# Altium PCB mainboard.PcbDoc
Units mm, origin at the board's own origin, x right, y up, seen from the top; angles counter-clockwise.
Board outline 50 x 50 mm, 2 copper layers (Top Layer, Bottom Layer); 64 components, 41 nets, 257 pads, 59 vias.
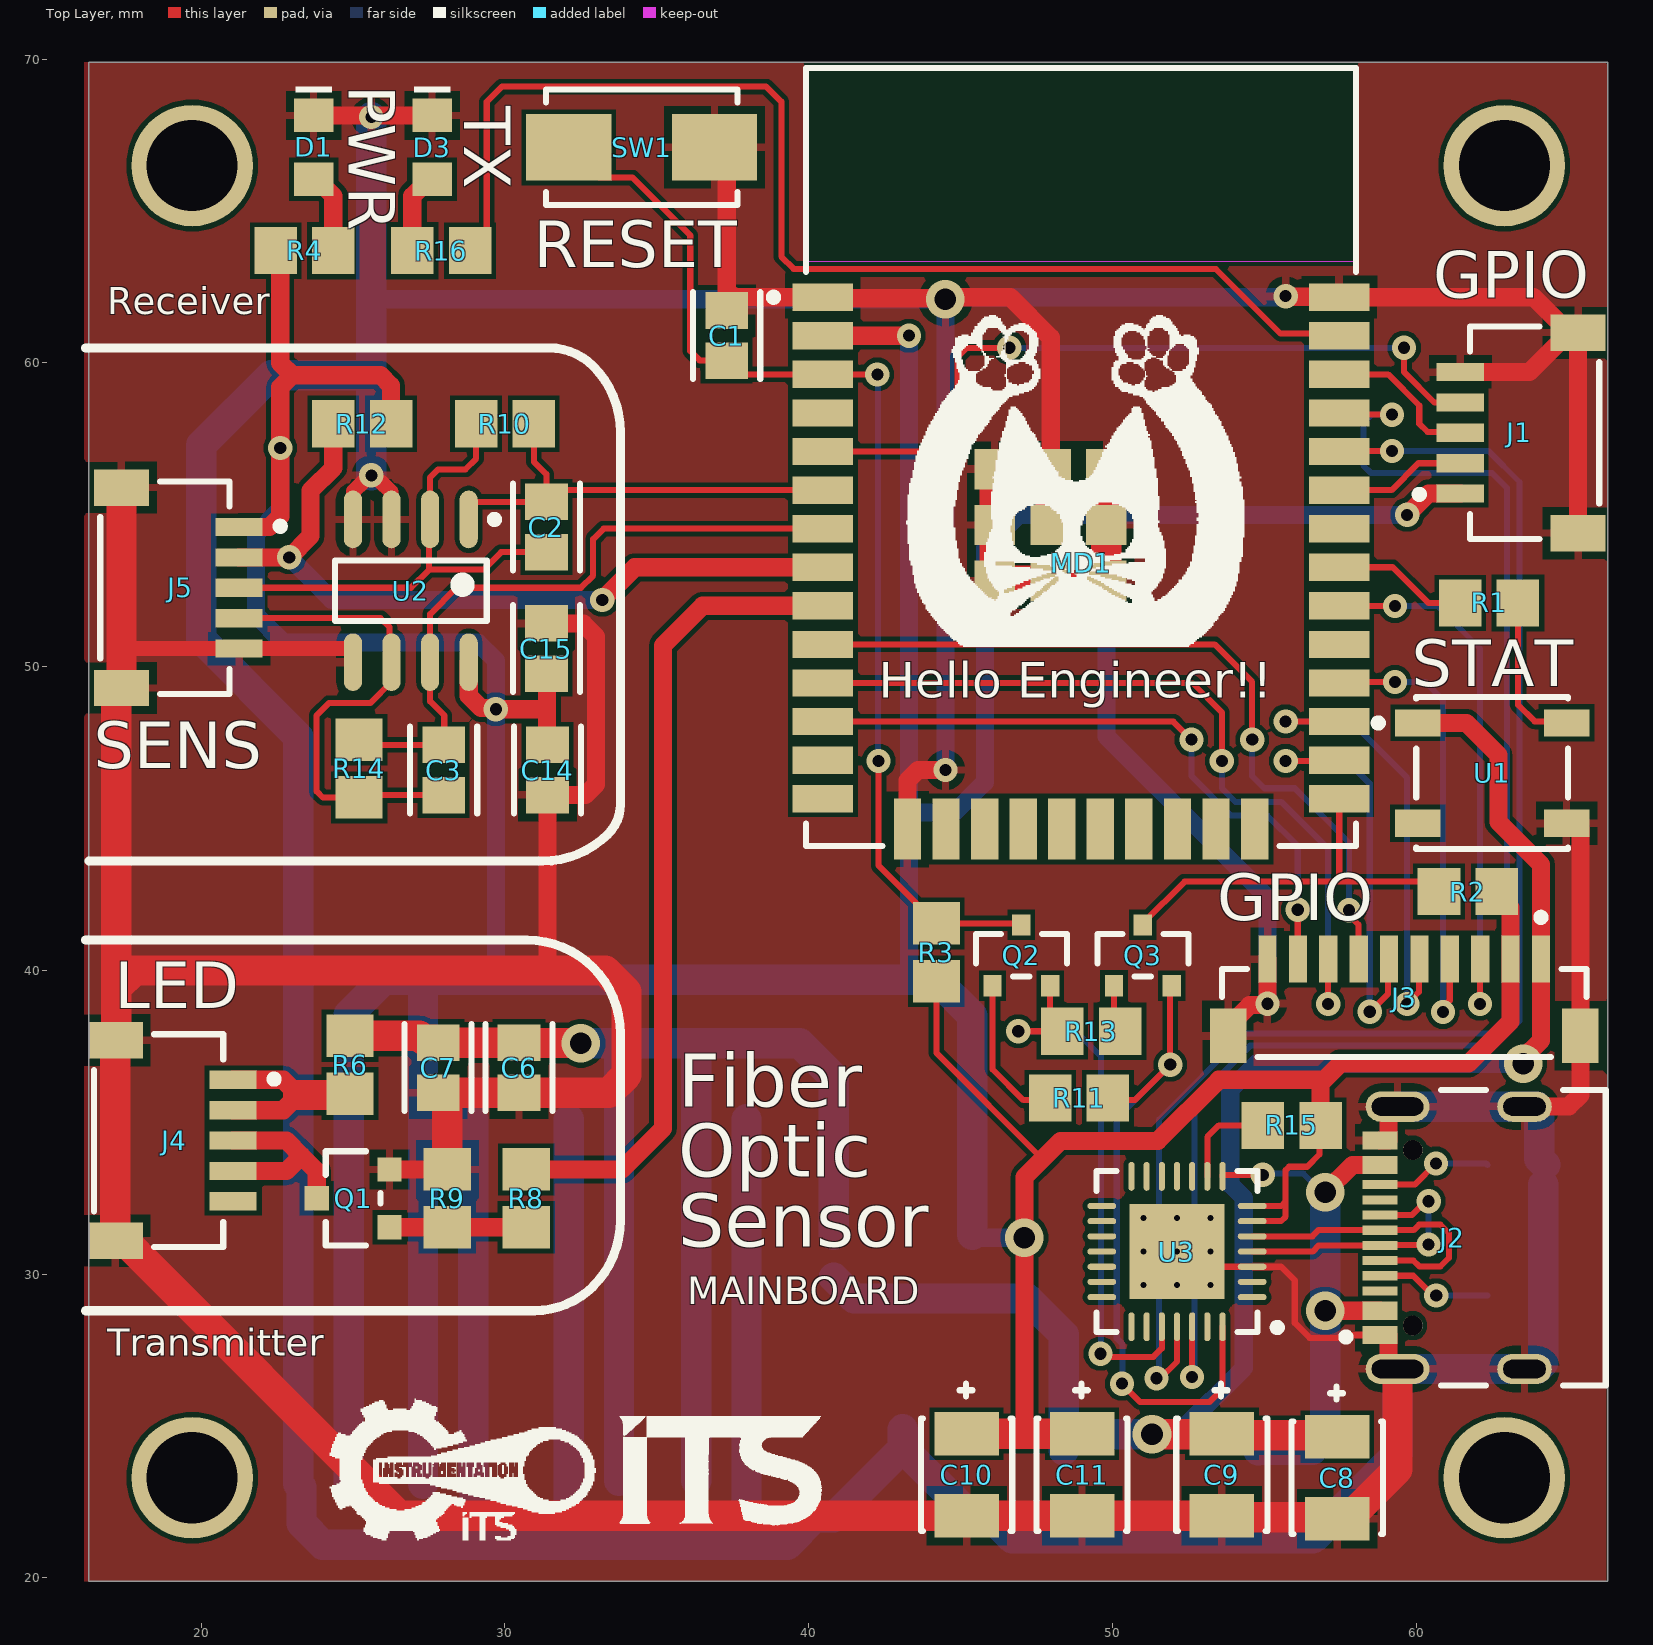
[diagram p0: Top Layer view]
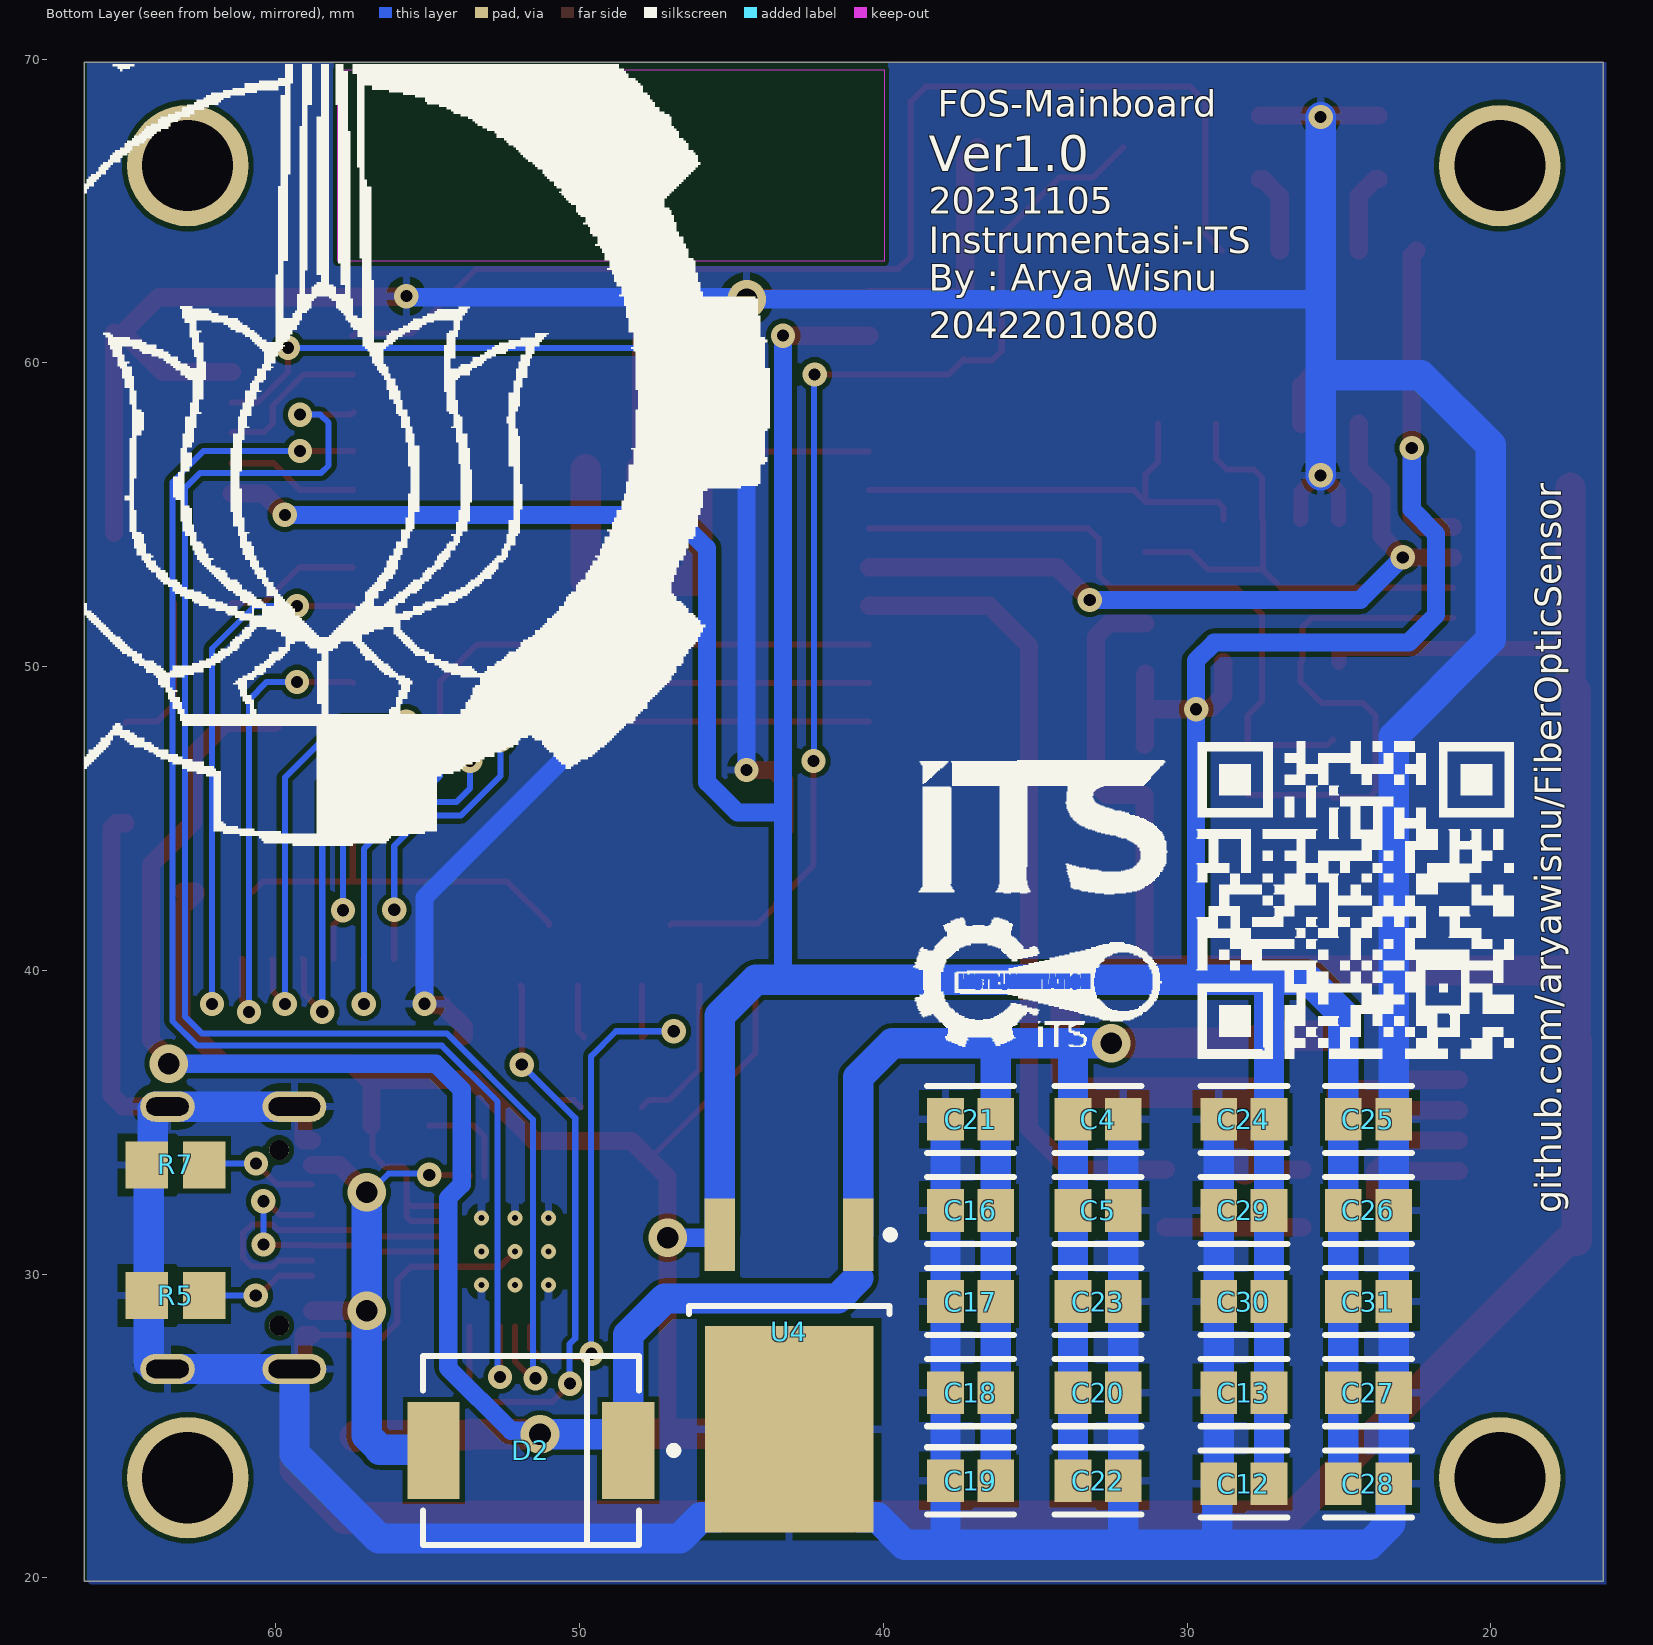
[diagram p1: Bottom Layer view, seen from below]
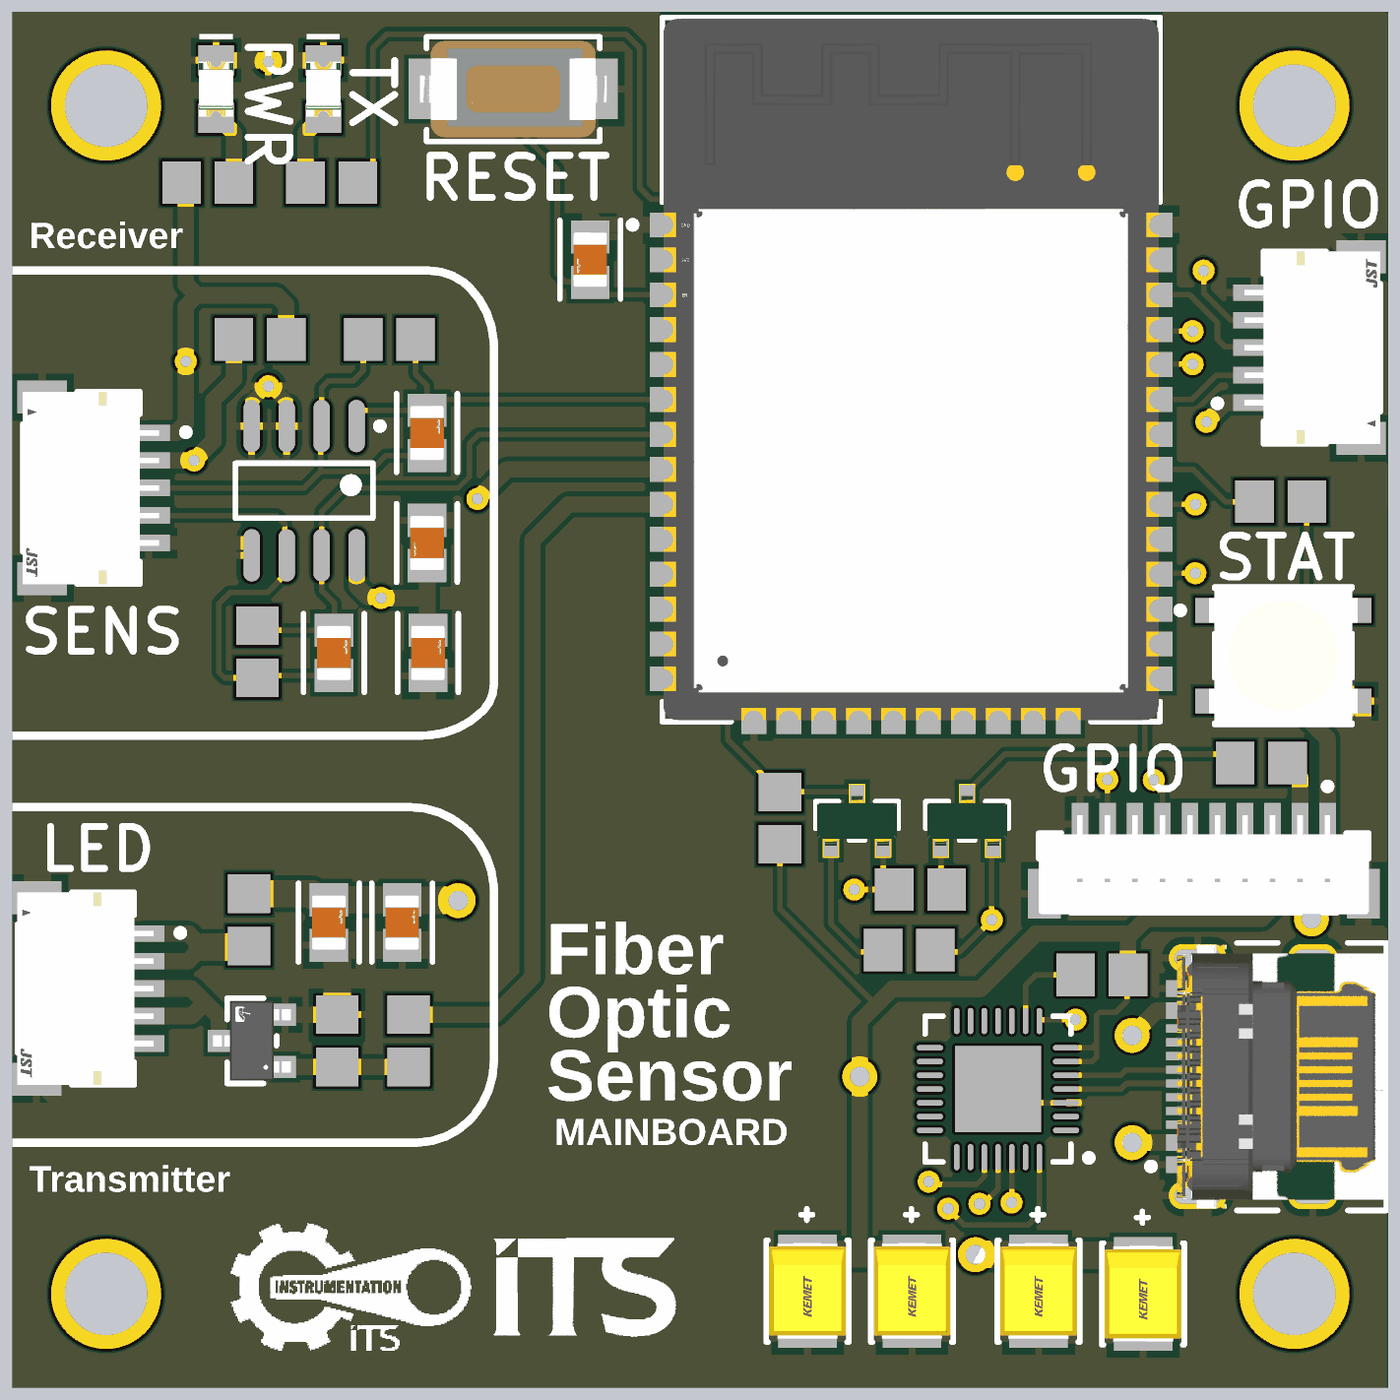
[diagram p2: 3D render of the assembled board from above, using the file's embedded part models]
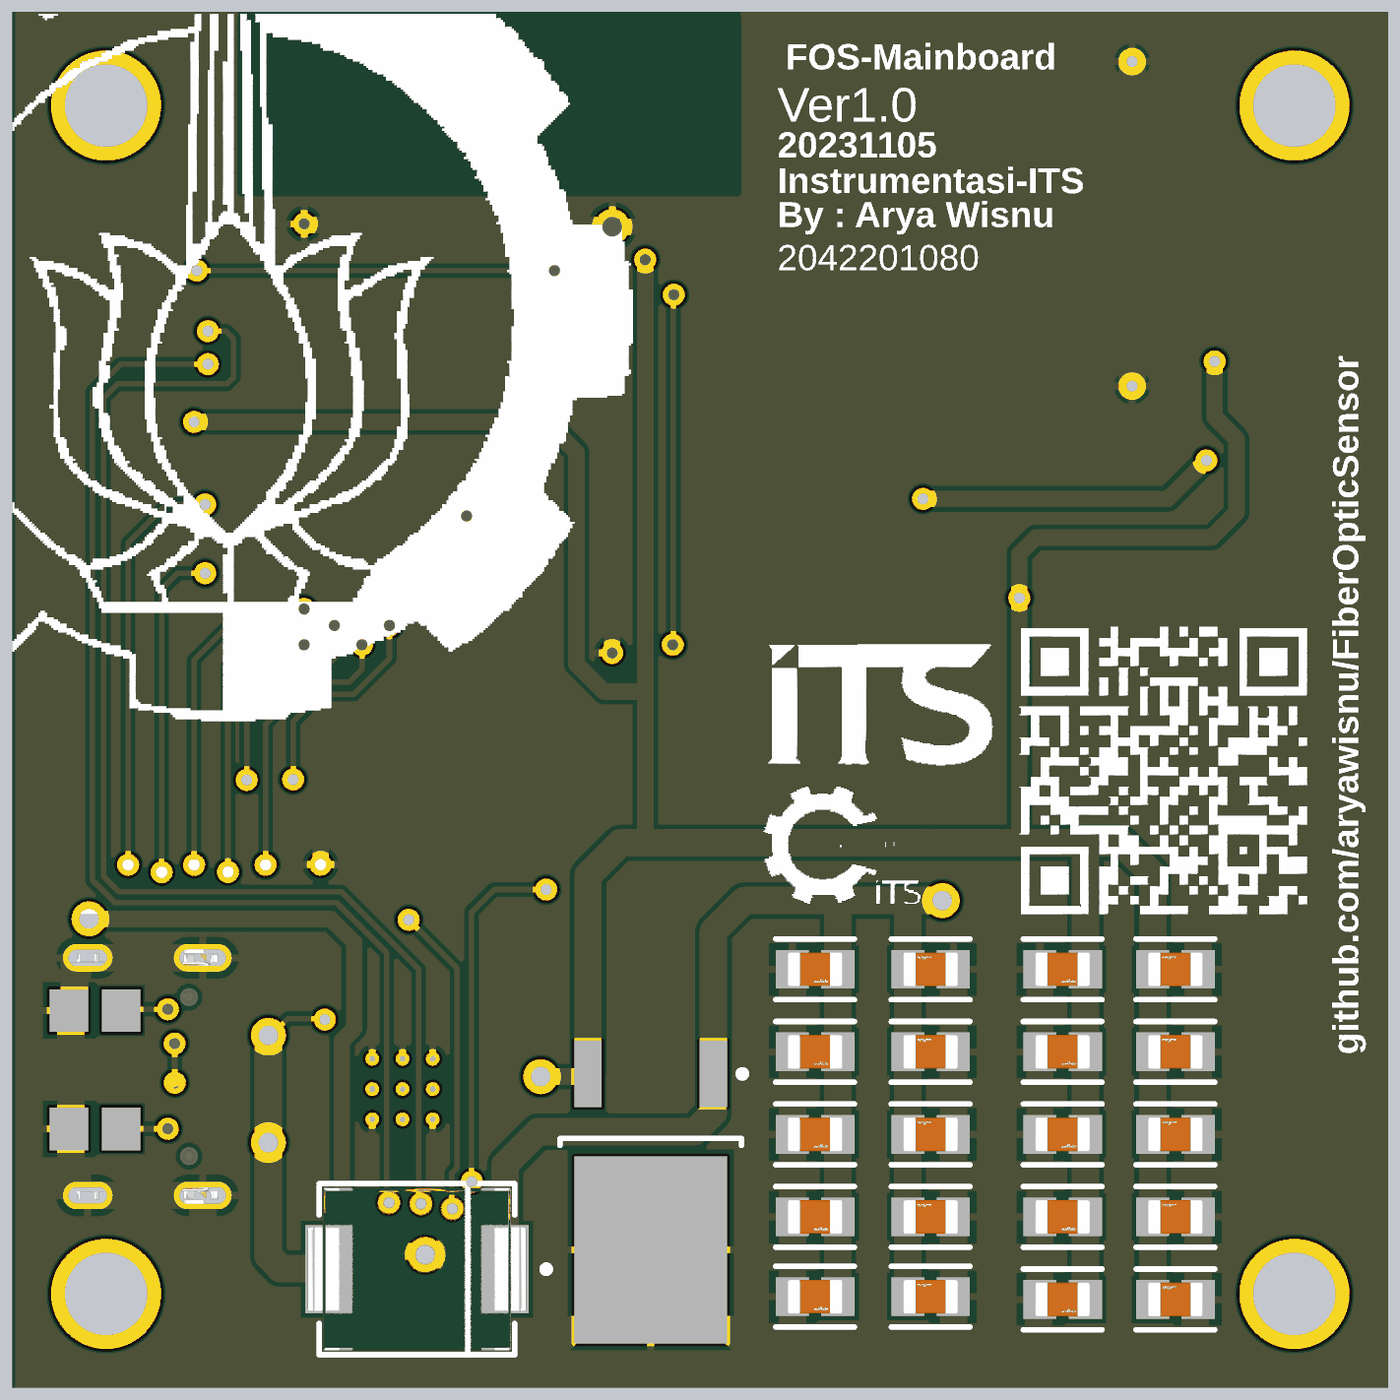
[diagram p3: 3D render of the assembled board from below, using the file's embedded part models]

## Layer stack, top to bottom
Top Solder: solder mask 0.0102, Solder Resist, Dk 3.5
Top Layer: signal copper 0.0356
Dielectric 1: dielectric 0.32, FR-4, Dk 4.8
Bottom Layer: signal copper 0.0356
Bottom Solder: solder mask 0.0102, Solder Resist, Dk 3.5

## Board outline
16.3,19.9 16.3,69.9 66.3,69.9 66.3,19.9

## Design rules (kind name [scope] priority, off if disabled: settings)
Clearance [All] p1: gap=0.16 ignorepadtopadclearanceinfootprint=FALSE except(0: Arc-Hole Track-Hole SMDPad-Hole THPad-Hole Via-Hole Fill-Hole Poly-Hole Region-Hole Text-Hole)
ComponentClearance [All] p1: gap=0.1 collisioncheckmode=3 verticalgap=0.254 showdistances=FALSE
PolygonConnect [All] p1: connectstyle=Relief reliefconductorwidth=0.254 reliefentries=4 polygonreliefangle="90 Angle" airgapwidth=0.254
RoutingVias [All] p1: holewidth=0.4 width=0.8 viastyle="Through Hole" minholewidth=0.4 minwidth=0.8 maxholewidth=0.4 maxwidth=0.8 viatemplateguid#1={0D8F0832-B4A4-49FD-9893-221AC787A3E5} viatemplatename#1=v50h20
SolderMaskExpansion [All] p1: expansion=0.102 istentingtop=FALSE
Width [All] p1: maxlimit=1 minlimit=0.2 preferedwidth=0.3 minimp=50.000000 maximp=50.000000 favimp=50.000000
29 further rules are at their usual default settings.

## Components (designator, comment, footprint, x,y, rotation, side; value= is the part's Value field where it differs from the comment)
C1 "GRM21BR61E106KA73L" FP-GRM21B-0_15-IPC_B 37.3,60.9 r270 top
C2 "GRM21BR61E106KA73L" FP-GRM21B-0_15-IPC_B 31.363,54.6 r90 top
C3 "GRM21BR61E106KA73L" FP-GRM21B-0_15-IPC_B 27.983,46.6 r90 top
C4 "GRM21BR61E106KA73L" FP-GRM21B-0_15-IPC_B 32.926,35.1 r0 bottom
C5 "GRM21BR61E106KA73L" FP-GRM21B-0_15-IPC_B 32.926,32.1 r0 bottom
C6 "GRM21BR61E106KA73L" FP-GRM21B-0_15-IPC_B 30.462,36.8 r90 top
C7 "GRM21BR61E106KA73L" FP-GRM21B-0_15-IPC_B 27.8,36.8 r90 top
C8 "T491B106K016AT" FP-T491B106K016AT-MFG 57.4,23.3 r90 top
C9 "T491B106K016AT" FP-T491B106K016AT-MFG 53.6,23.4 r90 top
C10 "T491B106K016AT" FP-T491B106K016AT-MFG 45.2,23.4 r90 top
C11 "T491B106K016AT" FP-T491B106K016AT-MFG 49,23.4 r90 top
C12 "GRM21BR61E106KA73L" FP-GRM21B-0_15-IPC_B 28.126,23.1 r180 bottom
C13 "GRM21BR61E106KA73L" FP-GRM21B-0_15-IPC_B 28.126,26.1 r180 bottom
C14 "GRM21BR61E106KA73L" FP-GRM21B-0_15-IPC_B 31.4,46.6 r90 top
C15 "GRM21BR61E106KA73L" FP-GRM21B-0_15-IPC_B 31.363,50.6 r270 top
C16 "GRM21BR61E106KA73L" FP-GRM21B-0_15-IPC_B 37.126,32.1 r180 bottom
C17 "GRM21BR61E106KA73L" FP-GRM21B-0_15-IPC_B 37.126,29.1 r180 bottom
C18 "GRM21BR61E106KA73L" FP-GRM21B-0_15-IPC_B 37.126,26.1 r180 bottom
C19 "GRM21BR61E106KA73L" FP-GRM21B-0_15-IPC_B 37.126,23.2 r180 bottom
C20 "GRM21BR61E106KA73L" FP-GRM21B-0_15-IPC_B 32.926,26.1 r0 bottom
C21 "GRM21BR61E106KA73L" FP-GRM21B-0_15-IPC_B 37.126,35.1 r180 bottom
C22 "GRM21BR61E106KA73L" FP-GRM21B-0_15-IPC_B 32.926,23.2 r0 bottom
C23 "GRM21BR61E106KA73L" FP-GRM21B-0_15-IPC_B 32.926,29.1 r0 bottom
C24 "GRM21BR61E106KA73L" FP-GRM21B-0_15-IPC_B 28.126,35.1 r180 bottom
C25 "GRM21BR61E106KA73L" FP-GRM21B-0_15-IPC_B 24.026,35.1 r0 bottom
C26 "GRM21BR61E106KA73L" FP-GRM21B-0_15-IPC_B 24.026,32.1 r0 bottom
C27 "GRM21BR61E106KA73L" FP-GRM21B-0_15-IPC_B 24.026,26.1 r0 bottom
C28 "GRM21BR61E106KA73L" FP-GRM21B-0_15-IPC_B 24.026,23.1 r0 bottom
C29 "GRM21BR61E106KA73L" FP-GRM21B-0_15-IPC_B 28.126,32.1 r180 bottom
C30 "GRM21BR61E106KA73L" FP-GRM21B-0_15-IPC_B 28.126,29.1 r180 bottom
C31 "GRM21BR61E106KA73L" FP-GRM21B-0_15-IPC_B 24.026,29.1 r0 bottom
D1 "150080SS75000" WL-SMCW_0805_150080xx75000 23.7,67.1 r270 top
D2 "SS34-E3/57T" FP-95402-MFG 51.6,24.2 r0 bottom
D3 "150080SS75000" WL-SMCW_0805_150080xx75000 27.6,67.1 r270 top
J1 "LCD" FP-SM05B-SRSS-G-TB_LF_SN-MFG 63.9,57.7 r90 top
J2 "USB Type C" FP-USB4105-GF-A-MFG 62.4,31.2 r90 top
J3 "GPIO" FP-BM10B-SRSS-TBT_LF_SN-MFG 59.604,38.6 r180 top
J4 "IR LED" FP-SM05B-SRSS-G-TB_LF_SN-MFG 18.6,34.4 r270 top
J5 "SENSOR" FP-SM05B-SRSS-G-TB_LF_SN-MFG 18.8,52.6 r270 top
MD1 "ESP32-WROOM-32" FP-ESP32-WROOM-32-MFG 48.965,56.905 r0 top
Q1 "AO3400A" FP-SOT23-MFG#1 25,32.5 r180 top
Q2 "BC817" FP-SOT23-MFG#2 47,40.5 r90 top
Q3 "BC817" FP-SOT23-MFG#2 51,40.5 r90 top
R1 "ERA6AEB472V" RESC2013X60X40ML20T25 62.4,52.1 r180 top
R2 "ERA6AEB472V" RESC2013X60X40ML20T25 61.7,42.6 r0 top
R3 "ERA6AEB472V" RESC2013X60X40ML20T25 44.2,40.6 r270 top
R4 "ERA6AEB472V" RESC2013X60X40ML20T25 23.4,63.7 r180 top
R5 "ERA6AEB472V" RESC2013X60X40ML20T25 63.3,29.3 r180 bottom
R6 "ERA6AEB472V" RESC2013X60X40ML20T25 24.9,36.9 r90 top
R7 "ERA6AEB472V" RESC2013X60X40ML20T25 63.3,33.6 r180 bottom
R8 "ERA6AEB472V" RESC2013X60X40ML20T25 30.7,32.5 r90 top
R9 "ERA6AEB472V" RESC2013X60X40ML20T25 28.1,32.5 r90 top
R10 "ERA6AEB472V" RESC2013X60X40ML20T25 30,58 r0 top
R11 "ERA6AEB472V" RESC2013X60X40ML20T25 48.9,35.8 r0 top
R12 "ERA6AEB472V" RESC2013X60X40ML20T25 25.3,58 r0 top
R13 "ERA6AEB472V" RESC2013X60X40ML20T25 49.3,38 r180 top
R14 "ERA6AEB472V" RESC2013X60X40ML20T25 25.2,46.646 r90 top
R15 "ERA6AEB472V" RESC2013X60X40ML20T25 55.9,34.9 r180 top
R16 "ERA6AEB472V" RESC2013X60X40ML20T25 27.9,63.7 r0 top
SW1 "Reset" FP-147873-1-MFG 34.5,67.1 r0 top
U1 "WS2812b" ADA-RGB-1655_V 62.5,46.5 r0 top
U2 "AD823AR" ADI-R-8_L 26.9,52.5 r270 top
U3 "CP2102-GMR" SLAB-QFN-28-3125x3125TP_M 52.124,30.747 r180 top
U4 "KF33BDT-TR" TO-252_M 43.1,27 r270 bottom
